# Altium PCB PCB.PcbDoc (part 2 of 3)
Units mm, origin at the board's own origin, x right, y up, seen from the top; angles counter-clockwise.
Board outline 150 x 100 mm, 4 copper layers (L1, L2, L3, L4), stack 1.787 mm thick; 184 components, 112 nets, 659 pads, 390 vias.
Unrouted connection lines stored in the file: 247.
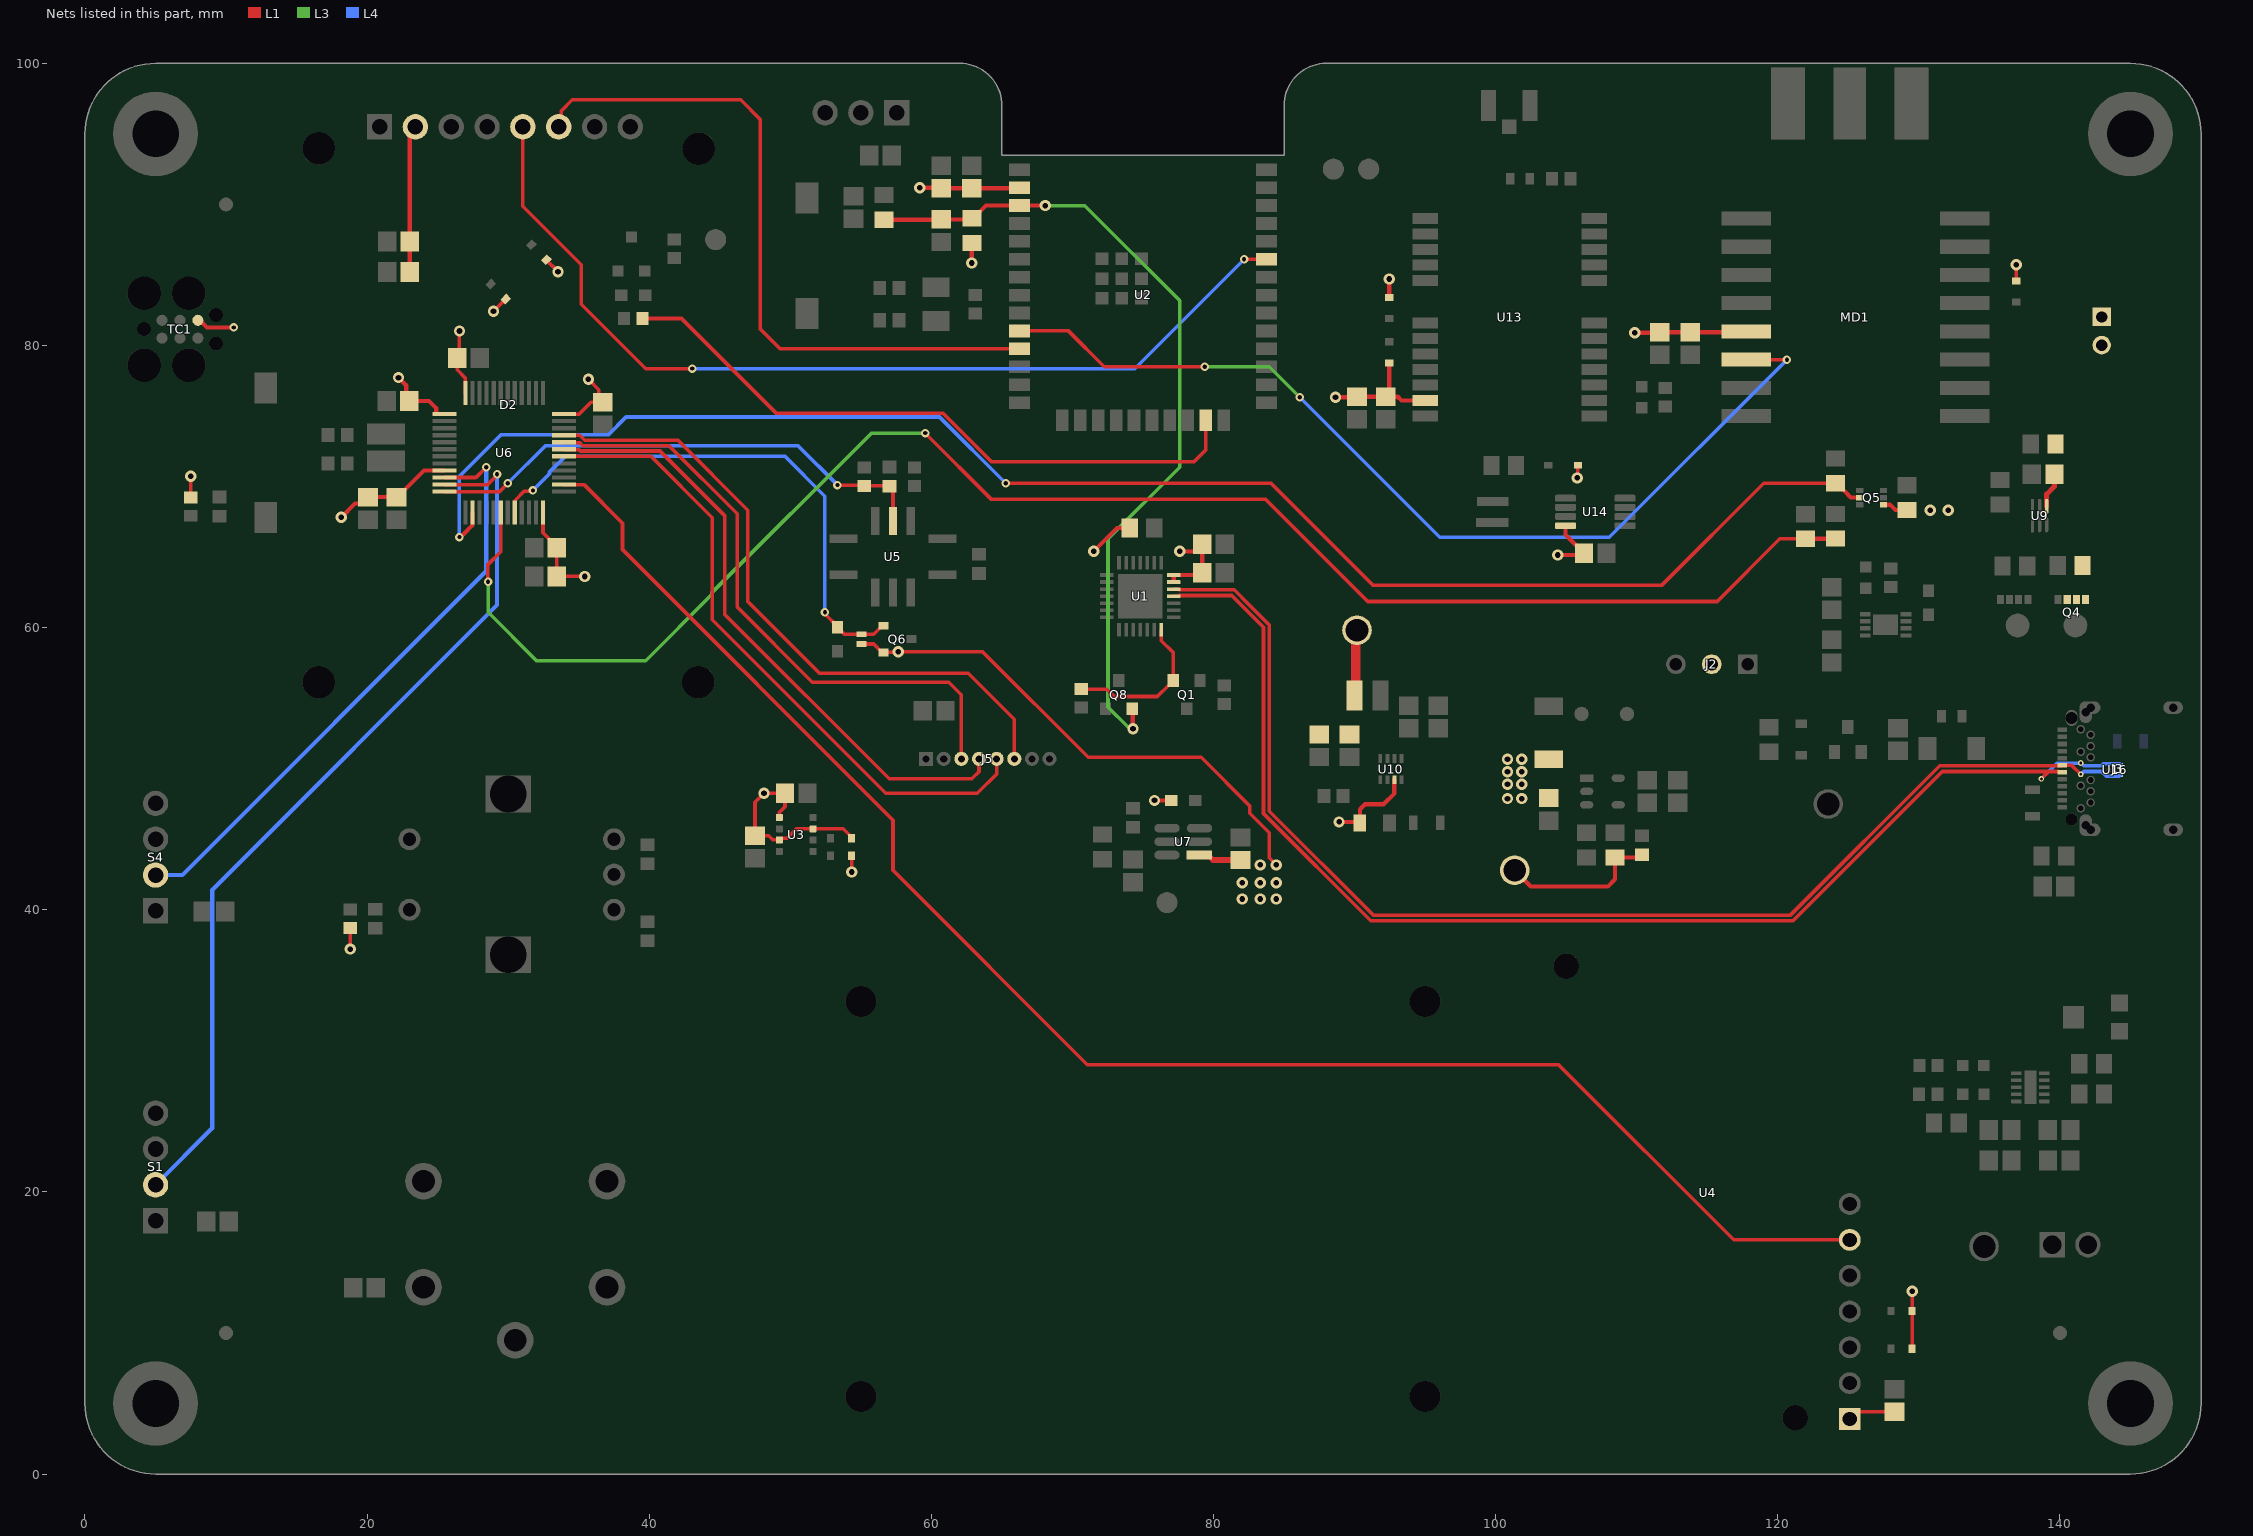
[diagram p4: the nets of this part, all layers, seen from the top]

## Part data (continued)
D3: "22V ESD & EOS PROTECTION", Capacitance @ Frequency="0.34pF @ 1MHz", Current - Peak Pulse (10/1000µs)="18A (8/20µs)", Device Package="0402 (1005 Metric)", Manufacturer="Semtech Corporation", Operating Temperature="-40°C ~ 125°C (TA)", Power - Peak Pulse=270W, Power Line Protection=No, Supplier Device Package="2-DFN (1x0.6)", Supplier Part Number 1=600-RCLAMP2261PW.CCT-ND, Voltage - Breakdown (Min)=24V, Voltage - Clamping (Max) @ Ipp=15V, Voltage - Reverse Standoff (Typ)="22V (Max)", Applications="Telecom, USB", Bidirectional Channels=1, ComponentLink1Description=Datasheet, ComponentLink1URL=https://semtech.my.salesforce.com/sfc/p/#E0000000JelG/a/3n000000qPoJ/iNgZ1SW_YRIAZf6Xx_HNFo8aguTwt76dX4ycwYUdkLQ, ComponentLink2Description="DigiKey Link", ComponentLink2URL=https://www.digikey.com/en/products/detail/semtech-corporation/RCLAMP2261PW-C/21371855, lastupdated="6/3/2024 8:22:57 PM", Lifecycle Status=Active, Minimum Order=1, Mounting Type="Surface Mount", Package / Case="0402 (1005 Metric)", packaging=TapeAndReel, Part Number=RCLAMP2261PW.C, partid=11950, price=0.09, series=RailClamp®, Supplier 1=DigiKey, Type=Zener
D4 D8 D11: library part LSM0603453V, "LED GREEN CLEAR CHIP 0603 SMD", Current - Test=20mA, Device Package="0603 (1608 Metric)", Lens Color=Colorless, Manufacturer="Visual Communications Company - VCC", Millicandela Rating=63mcd, Supplier Device Package="Chip LED", Supplier Part Number 1=LSM0603453VCT-ND, Voltage - Forward (Vf) (Typ)=2V, Color=Green, ComponentLink1Description=Datasheet, ComponentLink1URL=https://vcclite.com/wp-content/uploads/wpallimport/files/files/LSM0603453V.pdf, ComponentLink2Description="DigiKey Link", ComponentLink2URL=https://www.digikey.com/en/products/detail/visual-communications-company-vcc/LSM0603453V/9486724, Configuration=Standard, Height (Max)=0.65mm, lastupdated="6/3/2024 7:58:54 PM", Lens Size="1.20mm x 0.80mm", Lens Style="Rectangle with Flat Top", Lens Transparency=Clear, Lifecycle Status=Active, Minimum Order=1, Mounting Type="Surface Mount", Package / Case="0603 (1608 Metric)", packaging=TapeAndReel, Part Number=LSM0603453V, Part Status=Active, partid=579, price=0.09, series=LSM0603, Size / Dimension="1.60mm L x 0.80mm W", Supplier 1=DigiKey, Viewing Angle=120°, Wavelength - Dominant=572nm, Wavelength - Peak=571nm
D5: "DIODE ZENER 3V 320MW SOD323", Current - Reverse Leakage @ Vr="10 µA @ 1 V", Manufacturer="Nexperia USA Inc.", Operating Temperature="-55°C ~ 150°C", Package / Case="SC-76, SOD-323", Power - Max="320 mW", Supplier Device Package=SOD-323, Supplier Part Number 1=1727-PZU3.0B2A,115CT-ND, Tolerance=±2%, Voltage - Forward (Vf) (Max) @ If="1.1 V @ 100 mA", Voltage - Zener (Nom) (Vz)="3 V", ComponentLink1Description=Datasheet, ComponentLink1URL=https://assets.nexperia.com/documents/data-sheet/PZUXBA_SER.pdf, ComponentLink2Description="DigiKey Link", ComponentLink2URL=https://www.digikey.com/en/products/detail/nexperia-usa-inc/PZU3-0B2A-115/2119995, Impedance (Max) (Zzt)="95 Ohms", lastupdated="6/3/2024 8:20:25 PM", Lifecycle Status=Active, Minimum Order=1, Mounting Type="Surface Mount", packaging=TapeAndReel, Part Number=PZU3.0B2A,115, Part Status=Active, partid=4239, price=0.02, series=-, Supplier 1=DigiKey
D7: library part QBLP601-R5-2897, "0603 LED RED 620NM DOMINANT,630N", Current - Test=5mA, Device Package="0603 (1608 Metric)", Lens Color=Colorless, Manufacturer="QT Brightek (QTB)", Millicandela Rating=90mcd, Supplier Device Package=0603, Supplier Part Number 1=1516-QBLP601-R5-2897CT-ND, Voltage - Forward (Vf) (Typ)=1.9V, Color=Red, ComponentLink1Description=Datasheet, ComponentLink1URL=https://www.qt-brightek.com/datasheet/QBLP601-R5-2897.pdf, ComponentLink2Description="DigiKey Link", ComponentLink2URL=https://www.digikey.com/en/products/detail/qt-brightek-qtb/QBLP601-R5-2897/22106649, Configuration=Standard, Height (Max)=0.70mm, lastupdated="6/3/2024 7:59:37 PM", Lens Size="1.10mm x 0.80mm", Lens Style="Rectangle with Flat Top", Lens Transparency=Clear, Lifecycle Status=Active, Minimum Order=1, Mounting Type="Surface Mount", Package / Case="0603 (1608 Metric)", packaging=TapeAndReel, Part Number=QBLP601-R5-2897, partid=1463, price=0.05, series=QBLP601, Size / Dimension="1.60mm L x 0.80mm W", Supplier 1=DigiKey, Viewing Angle=140°, Wavelength - Dominant=620nm, Wavelength - Peak=630nm
D9: library part CMP-02539-000014-1, "DIODE GEN PURP 75V 150MA SOD80", Capacitance=4pF, Forward Current=300mA, Manufacturer=Vishay, Manufacturer Part Number=LS4148-GS18, Max Junction Temp=+175°C, Max Repetitive Reverse Voltage=100V, Max Surge Forward Current=2A, Package=6.560-5006.01-4, Peak Reverse Current=5uA, Reverse Voltage=75V, Temperature="to +175°C", Automotive=Yes, Automotive Grade="Grade 0", Category=Diode, ComponentLink2Description=Datasheet, ComponentLink2URL=http://www.vishay.com/docs/85561/ls4148.pdf, Device Class L1="Discrete Semiconductors", Device Class L2=Diodes, Device Class L3="Schottky Diodes", Digikey Description="DIODE GEN PURP 75V 150MA SOD80", Height=1.7mm, Lead Free=Yes, Mouser Description="In a Pack of 100, Vishay Switching Diode, 300mA 75V, 2-Pin SOD-80 LS4148-GS18", Octopart=https://octopart.com/ls4148-gs18-vishay-55507867, RoHS=TRUE, Temperature Range High=+175°C
D10: "Photodiode 2-SMD, J-Lead", Color - Enhanced="Ultraviolet (UV)", DigiKey Part Number=2096-GUVA-S12SDTR-ND, Manufacturer="Genicom Co., Ltd.", Operating Temperature="-30°C ~ 85°C", Supplier Part Number 1=2096-GUVA-S12SDCT-ND, Voltage - DC Reverse (Vr) (Max)="5 V", Diode Type=Schottky, Manufacturer Product Number=GUVA-S12SD, Responsivity @ nm="0.14 A/W @ 350nm", Spectral Range="240nm ~ 370nm", Supplier 1=Digikey
D12: library part CMP-12790-000023-1, "DIODE SCHOTTKY 30V 500MA SOD323", Capacitance=58pF, Forward Current=0.5A, Manufacturer="Diodes Inc.", Max Junction Temp=+125°C, Max Repetitive Reverse Voltage=30V, Max Surge Forward Current=2A, Package=SOD323, Peak Reverse Current=500uA, Temperature="-40°C to +125°C", Temperature Range Low=-40°C, Automotive=Yes, Automotive Grade="Grade 1", Category=Diode, ComponentLink2Description=Datasheet, ComponentLink2URL=https://www.diodes.com/assets/Datasheets/ds30249.pdf, Device Class L1="Discrete Semiconductors", Device Class L2=Diodes, Device Class L3="Schottky Diodes", Digikey Description="DIODE SCHOTTKY 30V 500MA SOD323", Footprint Url=https://www.diodes.com/assets/Package-Files/SOD323.pdf, Height=1.2mm, Ipc Land Pattern Name=SOD250130X120-2, Lead Free=Yes, Manufacturer Part Number=B0530WS-7-F, Mouser Description="Schottky Diodes & Rectifiers SCHOTTKY RECTIFIER", Octopart=https://octopart.com/b0530ws-7-f-diodes+inc.-325723, Reverse Voltage=30V, RoHS=TRUE, Standoff Height=0.05mm, Temperature Range High=+125°C
E1: "ROTARY ENCODER MECHANICAL 12PPR", Capacitance=4315F, Manufacturer="Bourns Inc.", Manufacturer 1=Bourns, Max Operating Temperature=70°C, Min Operating Temperature=-30°C, Package Quantity=75, Supplier Part Number 1=PEC11R-4315F-S0012-ND, Actuator Type="6mm Dia Flatted End", Built in Switch=Yes, ComponentLink1Description=Datasheet, ComponentLink1URL=https://www.bourns.com/docs/Product-Datasheets/PEC11R.pdf, ComponentLink2Description="DigiKey Link", ComponentLink2URL=http://digikey.com/product-detail/en/bourns-inc/PEC11R-4315F-S0012/PEC11R-4315F-S0012-ND/4699232, Detent=Yes, Encoder Type=Mechanical, Height=13.4mm, lastupdated="6/25/2020 3:43:12 PM", Length=21.5mm, Lifecycle Status=Active, Manufacturer Part Number 1=PEC11R-4315F-S0012, Minimum Order=1, Mount="Through Hole,Panel,PCB", Mounting Type="Panel, PCB Through Hole", Number of Channels=2, Orientation=Vertical, Output Type="Quadrature (Incremental)", packaging=Unknown, Part Number=PEC11R-4315F-S0012, Part Status=Active, price=1.91, Pricing 1="1=1.91000, 10=1.68200, 25=1.50800, 50=1.45000, 100=1.39200, 250=1.33400, 500=1.10200, 1000=1.04400, 5000=0.87000 (USD)", Pulses per Revolution=12, RoHS=Yes, Rotational Life (Cycles Min)=30K, series=PEC11R, Stock 1=453, Supplier 1=DigiKey, Termination="PC Pin", Termination Style="PC Pin", Width=12.5mm
F1: "FUSE BRD MNT 2A 32VAC 63VDC 1206", Breaking Capacity @ Rated Voltage=63A, Current Rating (Amps)=2A, Device Package="1206 (3216 Metric)", Manufacturer="Schurter Inc.", Operating Temperature="-55°C ~ 90°C", Supplier Part Number 1=486-1147-1-ND, Voltage Rating - AC=32V, Voltage Rating - DC=63V, Approval Agency="cURus, VDE", Approvals="cURus, VDE", ComponentLink1Description=Datasheet, ComponentLink1URL=https://us.schurter.com/pdf/english/typ_USI_1206.pdf, ComponentLink2Description="DigiKey Link", ComponentLink2URL=http://digikey.com/product-detail/en/schurter-inc/3413.0219.22/486-1147-1-ND/1522979, Fuse Type="Board Mount (Cartridge Style Excluded)", lastupdated="9/2/2020 1:30:41 AM", Lifecycle Status=Active, Melting I²t=0.79, Minimum Order=1, Mounting Type="Surface Mount", Package / Case="1206 (3216 Metric)", packaging=TapeAndReel, Part Number=3413.0219.22, Part Status=Active, price=0.26, Response Time="Fast Blow", series="USI 1206", Size / Dimension="0.126\" L x 0.063\" W x 0.024\" H (3.20mm x 1.60mm x 0.60mm)", Supplier 1=DigiKey
FID1 FID2 FID3: library part FIDUCIAL, "Fiducial with various available footprints"
J2: library part CMP-2000-05697-2, "CONN HEADER VERT 3POS 2.54MM", Color=Black, Contact Current Rating=3A, Flammability Rating="UL94 V-0", High Temperature Housing=No, Max Operating Temperature=105°C, Min Operating Temperature=-65°C, Package Quantity=520, Approvals=CSA, Board Standoff="No (Without)", Connector Type=Plug, Contact Gender=Male, Contact Material=Bronze, Contact Mating Length=8.08mm, Contact Plating=Gold, Contact Post Length=0.125inch, Contact Protection="No (Without)", Contact Shape=Square, Contact Type="Male Pin", Current Rating=3A, Depth=2.54mm, ELV=Compliant, Gasket="No (Without)", High Speed Serial Data Connector=No, Housing Color=Black, Housing Material=Thermoplastic, Keyed=No, Lead Free="Lead Free", Length=7.21mm, Mating Alignment="No (Without)", Mating Connector Lock="No (Without)", Mount="Through Hole", Number of Contacts=3, Number of Positions=3, Number of Rows=1, Orientation=Straight, packaging=Carton, PCB Mount Retention=Without, PCB Mounting Orientation=Vertical, PCB Thickness=1.397mm, Pitch=2.54mm, Radiation Hardening=No, RoHS Compliant=Yes, Row Spacing=2.54mm, Selectively Loaded="No (Without)", series="AMPMODU MOD II", Stabilizers="No (Without)", Strain Relief="No (Without)", Termination="Through Hole"
J3: "CONN RCPT USB3.1 TYPEC 24POS R/A", Current Rating (Amps)="0.25A, 1.25A, 5A, 6.25A", Manufacturer="CUI Devices", Operating Temperature="-30°C ~ 85°C", Supplier Part Number 1=102-4485-1-ND, Voltage - Rated=20V, ComponentLink1Description=Datasheet, ComponentLink1URL=https://www.cuidevices.com/product/resource/digikeypdf/uj31-ch-smt.pdf, ComponentLink2Description="DigiKey Link", ComponentLink2URL=http://digikey.com/product-detail/en/cui-devices/UJ31-CH-31-SMT-TR/102-4485-1-ND/8024065, Connector Type="USB - C (Type - C)", Features="Board Guide", Gender=Receptacle, lastupdated="5/24/2020 10:49:54 PM", Lifecycle Status=Active, Mating Cycles=10000, Minimum Order=1, Mounting Feature=Horizontal, Mounting Type="Surface Mount, Right Angle; Through Hole", Number of Contacts=24, Number of Ports=1, packaging=TapeAndReel, Part Number=UJ31-CH-31-SMT-TR, Part Status=Active, price=0.89, series=UJ31, Shielding=Shielded, Specifications="USB 3.1 (USB 3.1 Gen 2, Superspeed+)", Supplier 1=DigiKey, Termination=Solder
J4: library part CMP-2000-05417-1, "Male Header, Pitch 2.54 mm, 1 x 2 Position, Height 10.49 mm, Tail Length 3.556 mm, -55 to 105 degC, RoHS, Bulk", Color=White, Current, Rating="5 /  / A", Flammability Rating=UL94V-0, Manufacturer="TE Connectivity", Temperature, Operating="-55to+105 /  / degC", Voltage, Rating="250 /  / V", Agency Approvals=CSA,UL, Angle=Straight, Brand/Series=MTA-100Series, Color, Housing=White, Connector Type=MTA-100, Contact Centerline Spacing="0.100 /  / in.", Contact Mating Area Plating=Tin, Contact Plating=Tin, Contact Shape=Square, Contact Termination Area Plating=Tin, Datasheet URL=https://datasheet.ciiva.com/11746/0900766b80eb7fdd-11746365.pdf, Datasheet Version="Rev. W, 06/2004", Length, Overall="0.2 /  / \"", Length, Pin="0.14 /  / \"", Length, Terminal Post="0.14 /  / in.", Manufacturer URL=http://www.te.com/, Material, Contact=CopperAlloy, Material, Housing=Polyester, Mount Angle=Vertical, Mounting Hole Size="0.04 /  / \"", Mounting Type=PCMount, Number of Contacts=2, Number of Positions=2, Number of Rows=1, Pin Spacing="0.1 /  / \"", Primary Type=InterconnectSystem, Size, Post="0.025 /  / in.", Special Features=Pinstrip, Standards=RoHSCompliant,ELVCompliant,UL94V-0, Termination=Solder, Type=PCBPlug
J5: library part CMP-04776-000035-2, "CONN HEADER R/A 8POS 1.25MM", Case/Package=0810, Color=Natural, Contact Resistance=20mΩ, Current Rating=1A, Flammability Rating="UL94 V-0", Insulation Resistance=100MΩ, Manufacturer Lifecycle Status=ACTIVE, Max Operating Temperature=85°C, Min Operating Temperature=-40°C, Voltage Rating=125V, Body Plating=Tin, Contact Material=Tin, Contact Plating=Tin, Country of Origin=TW, Gender=Male, Glow Wire Compliant=Non-compliant, Height=3.7mm, Housing Color=Natural, Housing Material=Nylon, Lead Free="Lead Free", Lead Pitch=1.25mm, Lifecycle Status=Production, Mount="Through Hole", NexarPartId=276821, Number of Circuits=8, Number of Contacts=8, Number of Pins=8, Number of Poles=8, Number of Positions=8, Number of Rows=1, Orientation="Right Angle", Pitch=1.25mm, Plating=Tin, Radiation Hardening=No, REACH SVHC=Unknown, RoHS=Compliant, Schedule B=8536694040, Termination="Through Hole", Voltage Rating (AC)=125V, Voltage Rating (DC)=125V, Working Voltage=125V
J6: library part CMP-09588-000002-1, "CONN SMA JACK STR 50OHM EDGE MNT", Case/Package=SMA, Frequency=18GHz, Max Operating Temperature=165°C, Min Operating Temperature=-65°C, Operating Frequency="0 to 18 GHz", Package Quantity=5, Voltage Rating=335V, Body Material=Brass, Body Plating=Gold, Connector Type=SMA, Contact Material=Copper, Contact Plating=Gold, Depth=25.58mm, Fastening Type=Threaded, Gender=Female, Impedance=50R, Length=0.44inch, Max Frequency=18GHz, Mount=Edge, Orientation=Straight, packaging=Bulk, Radiation Hardening=No, RoHS Compliant=Yes, series=SMA, Termination=Solder
J7: library part CMP-2000-05152-3, "CONN U.FL RCPT STR 50 OHM SMD", Dielectric Material=Polymer, Frequency=6GHz, Housing Color=Beige, Insulation Resistance=500MR, Max Operating Temperature=90°C, Min Operating Temperature=-40°C, Package Quantity=2500, Body Material=Bronze, Body Plating=Silver, Connector Type=Coaxial, Contact Material=Brass, Contact Plating=Gold, Depth=3.1mm, Fastening Type=Snap, Gender=Male, Impedance=50R, Lead Free="Lead Free", Length=3mm, Max Frequency=6GHz, Mount="Surface Mount", Orientation=Straight, packaging="Cut Tape", Radiation Hardening=No, REACH SVHC="No SVHC", series=U.FL, Termination=Solder, Weight=0.001764oz, Wire/Cable Type=Coaxial
L1: library part CMP-06042-014115-1, "Shielded Wirewound Inductor 1uH 20% 3000mA 0.059Ω 1008 (2520)", Case Code (Imperial)=1008, Case Code (Metric)=2520, Current Rating=3A, DC Resistance (DCR)=59mR, Inductance=1uH, Max Operating Temperature=85°C, Min Operating Temperature=-40°C, Resistor Type=Wirewound, Test Frequency=1MHz, Tolerance=20%, Case/Package=1008, Core Material=Ferrite, Height - Seated (Max)=0.047inch, Length=0.098inch, Mount="Surface Mount", packaging="Tape and Reel", Shielding=Shielded, Width=0.079inch
L2: library part CMP-11268-000169-1, "INDUCTOR, SHLD, 100UH, 20%, 0.35A, SMD", DC Resistance (DCR)=1.4R, Inductance=100uH, Inductance Tolerance=20%, Max DC Current=370mA, Max Operating Temperature=85°C, Min Operating Temperature=-40°C, Package Quantity=1, RMS Current (Irms)=350mA, Saturation Current=360mA, Self Resonant Frequency=10MHz, Test Frequency=100kHz, Core Material=Ferrite, Height=1.7mm, Length=4mm, packaging="Cut Tape", REACH SVHC="No SVHC", Shielding=Shielded, Termination=SMD/SMT, Tolerance=20%, Weight=0.003527oz, Width=4mm
L3: library part MLF1608C270KTD00, "FIXED IND 27UH 2MA 1.8 OHM SMD", Current Rating (Amps)="2 mA", DC Resistance (DCR)="1.8Ohm Max", Device Package="0603 (1608 Metric)", Frequency - Self Resonant=15MHz, Inductance Frequency - Test="1 MHz", Manufacturer="TDK Corporation", Operating Temperature="-40°C ~ 85°C", Q @ Freq="20 @ 1MHz", Supplier Part Number 1=445-1030-1-ND, Tolerance=±10%, ComponentLink1Description=Datasheet, ComponentLink1URL=https://product.tdk.com/info/en/catalog/datasheets/inductor_commercial_standard_mlf1608_en.pdf?ref_disty=digikey, ComponentLink2Description="DigiKey Link", ComponentLink2URL=https://www.digikey.com/en/products/detail/tdk-corporation/MLF1608C270KTD00/504199, Height - Seated (Max)="0.037\" (0.95mm)", Inductance="27 µH", lastupdated="7/26/2024 2:55:23 PM", Lifecycle Status=Active, Material - Core=Ferrite, Minimum Order=1, Mounting Type="Surface Mount", Package / Case="0603 (1608 Metric)", packaging=TapeAndReel, Part Number=MLF1608C270KTD00, Part Status=Active, partid=8154, price=0.04, series=MLF, Shielding=Shielded, Size / Dimension="0.063\" L x 0.031\" W (1.60mm x 0.80mm)", Supplier 1=DigiKey, Supplier Device Package="0603 (1608 Metric)", Type=Multilayer
MD1: library part CMP-204316-000001-1, "RX TXRX MODULE ISM < 1GHZ SMD", Case/Package=SMD/SMT, Current - Receiving=12.1mA, Current - Transmitting=120mA, Frequency=868MHz, Max Operating Temperature=70°C, Min Operating Temperature=-20°C, Data Rate=300Kbps, Interface=SPI, Mount="Surface Mount", packaging=Bulk, Sensitivity=-123dBm
Q1 Q8: library part CMP-1048-00759-2, Case/Package=SOT-23-3, Collector Base Voltage (VCBO)=50V, Collector Emitter Breakdown Voltage=45V, Collector Emitter Saturation Voltage=600mV, Current Rating=100mA, Emitter Base Voltage (VEBO)=6V, Frequency=100MHz, Manufacturer Lifecycle Status=ACTIVE, Max Junction Temperature (Tj)=150°C, Max Power Dissipation=300mW, Min Operating Temperature=-55°C, Collector Emitter Voltage (VCEO)=45V, Contact Plating=Tin, Element Configuration=Single, Gain Bandwidth Product=100MHz, Halogen Free="Halogen Free", Height=1.016mm, hFE Min=200, Lead Free="Lead Free", Length=3.0226mm, Lifecycle Status=Production, Max Breakdown Voltage=45V, Max Collector Current=100mA, Max Frequency=100MHz, Max Operating Temperature=150°C, NexarPartId=129565, Number of Elements=1, Number of Pins=3, packaging="Cut Tape", Polarity=NPN, Power Dissipation=300mW, Radiation Hardening=No, REACH SVHC="No SVHC", RoHS=Compliant, Schedule B=8541210080, Transition Frequency=100MHz, Type="General Purpose", Voltage Rating (DC)=45V, Width=1.397mm
Q2: library part CMP-32901-000130-1, "MOSFET P-CH 20V 3.7A SOT-23", Continuous Drain Current=-3.7A, Drain to Source Breakdown Voltage=-20V, Drain to Source Resistance=0.05Ω, Gate To Source Voltage=12V, Input Capacitace At Vds="633pF @ -10V", Manufacturer=Infineon, Max Forward Diode Voltage=-1.2V, Max Junction Temp=+150°C, Package=Micro3, Power Dissipation=1.3W, Pulse Drain Current=-22A, Temperature="-55°C to +150°C", Temperature Range Low=-55°C, Automotive=No, Category=Trans, ComponentLink2Description=Datasheet, ComponentLink2URL=https://www.infineon.com/dgdl/irlml6402pbf.pdf?fileId=5546d462533600a401535668d5c2263c, Depletion Mode=False, Device Class L1="Discrete Semiconductors", Device Class L2=Transistors, Device Class L3=MOSFETs, Digikey Description="MOSFET P-CH 20V 3.7A SOT-23", Drain To Source Voltage=-20V, Footprint Url=http://irf.com/package/outline/po_micro3.pdf, Gate Charge At Vgs="8nC @ -5V", Height=1.12mm, Ipc Land Pattern Name=SOT95P237X100-3, Lead Free=Yes, Manufacturer Part Number=IRLML6402TRPBF, Number of Channels=1, Number Of P Channels=1, Octopart=https://octopart.com/irlml6402trpbf-infineon-65874989, Reverse Recovery Charge=11nC, Reverse Recovery Time=29ns, RoHS=TRUE, Rthja Max=75°C/W, Standoff Height=0.01mm, Technology=MOSFET, Temperature Range High=+150°C, Threshold Vgs=-0.55V, Threshold Vgs Max=-1.2V, Threshold Vgs Min=-0.4V, Turn Off Delay Time=588ns, Turn On Delay Time=350ns
Q3 Q4: library part CMP-04962-000044-1, "MOSFET N-CH 25V 60A 8-SON", Case/Package=SON, Continuous Drain Current (ID)=60A, Drain to Source Breakdown Voltage=25V, Gate to Source Voltage (Vgs)=16V, Input Capacitance=1.1nF, Max Operating Temperature=150°C, Max Power Dissipation=2.7W, Min Operating Temperature=-55°C, Package Quantity=1, Threshold Voltage=1.7V, Contact Plating=Tin, Drain to Source Voltage (Vdss)=25V, Dual Supply Voltage=25V, Element Configuration=Single, Fall Time=4.8ns, Lead Free="Contains Lead", Mount="Surface Mount", Nominal Vgs=1.7V, Number of Elements=1, Number of Pins=8, packaging="Tape and Reel", Polarity=N-CHANNEL, Power Dissipation=2.7W, Radiation Hardening=No, Rds On Max=5.3mR, REACH SVHC="No SVHC", Rise Time=12.9ns, RoHS Compliant=Yes, series=NexFET™, Termination=SMD/SMT, Turn-Off Delay Time=8.5ns, Turn-On Delay Time=7.3ns
Q5: library part CMP-2000-06168-1, "Complementary Pair Enhancement Mode MOSFET, 20 V N-Channel, -20 V P-Channel, -55 to 150 degC, 6-Pin SOTFL (SOT563), RoHS, Tape and Reel", Manufacturer="Diodes Inc", Maximum Continuous Drain Current=0.7A,1A, Maximum Drain Source Resistance=1.5Ω, Maximum Drain Source Voltage=20V, Maximum Gate Source Voltage=±12(Q1)V,±8(Q2)V, Maximum Gate Threshold Voltage=1V, Maximum Operating Temperature=+150°C, Maximum Power Dissipation=1W, Minimum Operating Temperature=-55°C, Package Description="6-Pin Small Outline Transistor, Flat Lead, Body 1.175 x 1.6 mm, Pitch 0.5 mm", Package Reference=SOT563-6, Package Type=SOT-563, Typical Input Capacitance @ Vds=37.1pF@10V, Category=PowerMOSFET, Channel Mode=Enhancement, Channel Type=N,P, Datasheet URL=http://www.diodes.com/_files/datasheets/DMC2400UV.pdf, Datasheet Version="Rev. 7-2, 06/2013", Dimensions=1.7x1.25x0.6mm, Height=0.6mm, Length=1.7mm, Manufacturer URL=http://www.diodes.com/, Mounting Technology=SurfaceMount, Mounting Type=SurfaceMount, Number of Elements per Chip=2, Pin Count=6, Transistor Configuration=Isolated, Transistor Material=Si, Typical Gate Charge @ Vgs=0.5nC@4.5V, Typical Turn-Off Delay Time=13.74ns, Typical Turn-On Delay Time=4.06ns, Width=1.25mm
Q6: library part CMP-00030-42864886-1, "SI2301BDS-T1-GE3 Trans Mosfet P-ch Si 20V 2.2A 3-PIN SOT-23 T/r / Mosfet P-ch 20V 2.2A SOT23-3", Case/Package=SOT-23-3, Continuous Drain Current (ID)=-2.2A, Drain to Source Breakdown Voltage=-20V, Drain to Source Resistance=100mΩ, Gate to Source Voltage (Vgs)=8V, Input Capacitance=375pF, Max Operating Temperature=150°C, Max Power Dissipation=700mW, Min Operating Temperature=-55°C, Resistance=100MΩ, Threshold Voltage=-950mV, Drain to Source Voltage (Vdss)=-20V, Element Configuration=Single, Fall Time=40ns, Height=1.02mm, Lead Free="Lead Free", Length=3.04mm, Mount="Surface Mount", NexarPartId=42864886, Nominal Vgs=-950mV, Number of Channels=1, Number of Elements=1, Number of Pins=3, Power Dissipation=700mW, Radiation Hardening=No, Rds On Max=100mΩ, REACH SVHC=Unknown, Rise Time=40ns, RoHS=Compliant, Schedule B="8541210080, 8541210080", Turn-Off Delay Time=30ns, Turn-On Delay Time=20ns, Weight=1.437803g, Width=1.4mm
Q7: library part CMP-83955-000006-1, "MOSFET N-CH 30V 5.7A SOT23", Case/Package=SOT-23, Continuous Drain Current (ID)=5.7A, Drain to Source Voltage (Vdss)=30V, Gate to Source Voltage (Vgs)=12V, Input Capacitance=630pF, Max Operating Temperature=150°C, Max Power Dissipation=1.4W, Min Operating Temperature=-55°C, Lead Free="Lead Free", Mount="Surface Mount", Number of Elements=1, Number of Pins=3, packaging="Tape and Reel", Power Dissipation=1.4W, Radiation Hardening=No, Rds On Max=26.5mR
R1 R36: library part CRGH0805J10K, "RES SMD 10K OHM 5% 1/3W 0805", Device Package="0805 (2012 Metric)", Manufacturer="TE Connectivity Passive Product", Operating Temperature="-55°C ~ 155°C", Power (Watts)="0.333W, 1/3W", Resistance="10 kOhms", Supplier Device Package=0805, Supplier Part Number 1=A126429CT-ND, Temperature Coefficient=±100ppm/°C, Tolerance=±5%, ComponentLink1Description=Datasheet, ComponentLink1URL=https://www.te.com/commerce/DocumentDelivery/DDEController?Action=srchrtrv&DocNm=1773204-1&DocType=DS&DocLang=English, ComponentLink2Description="DigiKey Link", ComponentLink2URL=https://www.digikey.com/en/products/detail/te-connectivity-passive-product/CRGH0805J10K/2385548, Composition="Thick Film", lastupdated="2/8/2024 9:02:37 PM", Lifecycle Status=Active, Minimum Order=1, Number of Terminations=2, Package / Case="0805 (2012 Metric)", packaging=TapeAndReel, Part Number=CRGH0805J10K, Part Status=Active, partid=28127, price=0.01, series="CRGH, Neohm", Size / Dimension="0.083\" L x 0.051\" W (2.10mm x 1.30mm)", Supplier 1=DigiKey
R2 R41: library part CRGH0805J1K0, "RES SMD 1K OHM 5% 1/3W 0805", Device Package="0805 (2012 Metric)", Manufacturer="TE Connectivity Passive Product", Operating Temperature="-55°C ~ 155°C", Power (Watts)="0.333W, 1/3W", Resistance="1 kOhms", Supplier Device Package=0805, Supplier Part Number 1=A126435CT-ND, Temperature Coefficient=±100ppm/°C, Tolerance=±5%, ComponentLink1Description=Datasheet, ComponentLink1URL=https://www.te.com/commerce/DocumentDelivery/DDEController?Action=srchrtrv&DocNm=1773204-1&DocType=DS&DocLang=English, ComponentLink2Description="DigiKey Link", ComponentLink2URL=https://www.digikey.com/en/products/detail/te-connectivity-passive-product/CRGH0805J1K0/2385524, Composition="Thick Film", lastupdated="2/8/2024 9:02:37 PM", Lifecycle Status=Active, Minimum Order=1, Number of Terminations=2, Package / Case="0805 (2012 Metric)", packaging=TapeAndReel, Part Number=CRGH0805J1K0, Part Status=Active, partid=28125, price=0.01, series="CRGH, Neohm", Size / Dimension="0.083\" L x 0.051\" W (2.10mm x 1.30mm)", Supplier 1=DigiKey
R3 R37 R45 R46 R47 R48 R50 R51 R52: library part RK73B1JTTD472J, "RES 4.7K OHM 5% 1/10W 0603", Device Package="0603 (1608 Metric)", Manufacturer="KOA Speer Electronics, Inc.", Operating Temperature="-55°C ~ 155°C", Power (Watts)="0.1W, 1/10W", Ratings=AEC-Q200, Resistance="4.7 kOhms", Supplier Device Package=0603, Supplier Part Number 1=2019-RK73B1JTTD472JCT-ND, Temperature Coefficient=±200ppm/°C, Tolerance=±5%, ComponentLink1Description=Datasheet, ComponentLink1URL=http://www.koaspeer.com/catimages/Products/RK73B/RK73B.pdf, ComponentLink2Description="DigiKey Link", ComponentLink2URL=https://www.digikey.com/en/products/detail/koa-speer-electronics-inc/RK73B1JTTD472J/9844699, Composition="Thick Film", Features="Automotive AEC-Q200", Height - Seated (Max)="0.022\" (0.55mm)", lastupdated="7/25/2024 9:43:10 AM", Lifecycle Status=Active, Minimum Order=1, Number of Terminations=2, Package / Case="0603 (1608 Metric)", packaging=CutTape, Part Number=RK73B1JTTD472J, Part Status=Active, partid=5830, price=0.01, series=RK73B, Size / Dimension="0.063\" L x 0.031\" W (1.60mm x 0.80mm)", Supplier 1=DigiKey
R4 R5 R6 R43: library part CRCW060310K0JNEA, "RES SMD 10K OHM 5% 1/10W 0603", Device Package="0603 (1608 Metric)", Manufacturer="Vishay Dale", Operating Temperature="-55°C ~ 155°C", Power (Watts)="0.1W, 1/10W", Ratings=AEC-Q200, Resistance="10 kOhms", Supplier Device Package=0603, Supplier Part Number 1=541-10KGCT-ND, Temperature Coefficient=±200ppm/°C, Tolerance=±5%, ComponentLink1Description=Datasheet, ComponentLink1URL=http://www.vishay.com/docs/20035/dcrcwe3.pdf, ComponentLink2Description="DigiKey Link", ComponentLink2URL=https://www.digikey.com/en/products/detail/vishay-dale/CRCW060310K0JNEA/1174253, Composition="Thick Film", Features="Automotive AEC-Q200", Height - Seated (Max)="0.020\" (0.50mm)", lastupdated="2/9/2024 8:43:35 PM", Lifecycle Status=Active, Minimum Order=1, Number of Terminations=2, Package / Case="0603 (1608 Metric)", packaging=CutTape, Part Number=CRCW060310K0JNEA, Part Status=Active, partid=5216, price=0.01, series=CRCW, Size / Dimension="0.063\" L x 0.033\" W (1.60mm x 0.85mm)", Supplier 1=DigiKey
R7: library part RMCF0603JT470R, "RES 470 OHM 5% 1/10W 0603", Device Package="0603 (1608 Metric)", Manufacturer="Stackpole Electronics Inc", Operating Temperature="-55°C ~ 155°C", Power (Watts)="0.1W, 1/10W", Ratings=AEC-Q200, Supplier Device Package=0603, Supplier Part Number 1=RMCF0603JT470RCT-ND, Temperature Coefficient=±200ppm/°C, Tolerance=±5%, ComponentLink1Description=Datasheet, ComponentLink1URL=https://www.seielect.com/catalog/sei-rmcf_rmcp.pdf, ComponentLink2Description="DigiKey Link", ComponentLink2URL=https://www.digikey.com/en/products/detail/stackpole-electronics-inc/RMCF0603JT470R/1757954, Composition="Thick Film", Features="Automotive AEC-Q200", Height - Seated (Max)="0.022\" (0.55mm)", lastupdated="2/9/2024 8:43:33 PM", Lifecycle Status=Active, Minimum Order=1, Number of Terminations=2, Package / Case="0603 (1608 Metric)", packaging=CutTape, Part Number=RMCF0603JT470R, Part Status=Active, partid=5857, price=0.01, Resistance="470 Ohms", series=RMCF, Size / Dimension="0.061\" L x 0.031\" W (1.55mm x 0.80mm)", Supplier 1=DigiKey
R8: library part CRCW0805330RJNEAC, "RES 330 OHM 5% 1/8W 0805", Device Package="0805 (2012 Metric)", Manufacturer="Vishay Dale", Operating Temperature="-55°C ~ 155°C", Power (Watts)="0.125W, 1/8W", Supplier Device Package=0805, Supplier Part Number 1=541-4168-1-ND, Temperature Coefficient=±200ppm/°C, Tolerance=±5%, ComponentLink1Description=Datasheet, ComponentLink1URL=http://www.vishay.com/docs/28773/crcwce3.pdf, ComponentLink2Description="DigiKey Link", ComponentLink2URL=https://www.digikey.com/en/products/detail/vishay-dale/CRCW0805330RJNEAC/7928590, Composition="Thick Film", Height - Seated (Max)="0.024\" (0.60mm)", lastupdated="2/8/2024 9:01:59 PM", Lifecycle Status=Active, Minimum Order=1, Number of Terminations=2, Package / Case="0805 (2012 Metric)", packaging=TapeAndReel, Part Number=CRCW0805330RJNEAC, Part Status=Active, partid=37144, price=0.01, Resistance="330 Ohms", series=CRCW-C, Size / Dimension="0.079\" L x 0.049\" W (2.00mm x 1.25mm)", Supplier 1=DigiKey
R9 R22: library part CRGP0805F100K, "RES 100K OHM 1% 1/3W 0805", Device Package="0805 (2012 Metric)", Manufacturer="TE Connectivity Passive Product", Operating Temperature="-55°C ~ 155°C", Power (Watts)="0.333W, 1/3W", Resistance="100 kOhms", Supplier Device Package=0805, Supplier Part Number 1=A130501CT-ND, Temperature Coefficient=±100ppm/°C, Tolerance=±1%, ComponentLink1Description=Datasheet, ComponentLink1URL=https://www.te.com/commerce/DocumentDelivery/DDEController?Action=srchrtrv&DocNm=9-1773463-9&DocType=DS&DocLang=English, ComponentLink2Description="DigiKey Link", ComponentLink2URL=https://www.digikey.com/en/products/detail/te-connectivity-passive-product/CRGP0805F100K/8577103, Composition="Thick Film", Features="Pulse Withstanding", Height - Seated (Max)="0.026\" (0.65mm)", lastupdated="2/8/2024 9:02:34 PM", Lifecycle Status=Active, Minimum Order=1, Number of Terminations=2, Package / Case="0805 (2012 Metric)", packaging=TapeAndReel, Part Number=CRGP0805F100K, Part Status=Active, partid=28747, price=0.02, series=CRGP, Size / Dimension="0.079\" L x 0.049\" W (2.00mm x 1.25mm)", Supplier 1=DigiKey
R10: library part RC0603FR-072KP, "RES 2K OHM 1% 1/10W 0603", Device Package="0603 (1608 Metric)", Manufacturer=Yageo, Operating Temperature="-55°C ~ 155°C", Power (Watts)="0.1W, 1/10W", Ratings="7C1 RoHS w/out Exemption (100% Pb-Free)", Resistance="2 kOhms", Supplier Device Package=0603, Supplier Part Number 1=YAG1297CT-ND, Temperature Coefficient=±100ppm/°C, Tolerance=±1%, ComponentLink1Description=Datasheet, ComponentLink1URL=http://www.yageo.com/NewPortal/yageodocoutput?fileName=/pdf/R-Chip/PYu-RC_51_RoHS_P_0.pdf, ComponentLink2Description="DigiKey Link", ComponentLink2URL=https://www.digikey.com/en/products/detail/yageo/RC0603FR-072KP/4935312, Composition="Thick Film", Features="Moisture Resistant", Height - Seated (Max)="0.022\" (0.55mm)", lastupdated="7/25/2024 9:19:32 AM", Lifecycle Status=Active, Minimum Order=1, Number of Terminations=2, Package / Case="0603 (1608 Metric)", packaging=TapeAndReel, Part Number=RC0603FR-072KP, Part Status=Active, partid=6623, price=0.01, series=RC_P, Size / Dimension="0.063\" L x 0.031\" W (1.60mm x 0.80mm)", Supplier 1=DigiKey
R11: library part RCC08052K20FKEA, "RCC0805 100 2K2 1% ET1 E3", Device Package="0805 (2012 Metric)", Manufacturer="Vishay Dale", Operating Temperature="-55°C ~ 155°C", Power (Watts)="0.25W, 1/4W", Ratings=AEC-Q200, Resistance="2.2 kOhms", Supplier Device Package=0805, Supplier Part Number 1=541-RCC08052K20FKEACT-ND, Temperature Coefficient=±100ppm/°C, Tolerance=±1%, ComponentLink1Description=Datasheet, ComponentLink1URL=https://www.vishay.com/docs/20066/rcce3.pdf, ComponentLink2Description="DigiKey Link", ComponentLink2URL=https://www.digikey.com/en/products/detail/vishay-dale/RCC08052K20FKEA/12084242, Composition="Thick Film", Features="Automotive AEC-Q200", Height - Seated (Max)="0.020\" (0.50mm)", lastupdated="2/8/2024 9:00:23 PM", Lifecycle Status=Active, Minimum Order=1, Number of Terminations=2, Package / Case="0805 (2012 Metric)", packaging=TapeAndReel, Part Number=RCC08052K20FKEA, Part Status=Active, partid=68039, price=0.02, series="RCC e3", Size / Dimension="0.079\" L x 0.049\" W (2.00mm x 1.25mm)", Supplier 1=DigiKey
R12 R13: library part ESR10EZPJ515, "RES SMD 5.1M OHM 5% 0.4W 0805", Device Package="0805 (2012 Metric)", Manufacturer="Rohm Semiconductor", Operating Temperature="-55°C ~ 155°C", Power (Watts)="0.4W, 2/5W", Ratings=AEC-Q200, Resistance="5.1 MOhms", Supplier Device Package=0805, Supplier Part Number 1=RHM5.1MKCT-ND, Temperature Coefficient=±200ppm/°C, Tolerance=±5%, ComponentLink1Description=Datasheet, ComponentLink1URL=https://www.rohm.com/datasheet/ESR01MZPF/esr-e, ComponentLink2Description="DigiKey Link", ComponentLink2URL=https://www.digikey.com/en/products/detail/rohm-semiconductor/ESR10EZPJ515/4051343, Composition="Thick Film", Features="Automotive AEC-Q200, Pulse Withstanding", Height - Seated (Max)="0.026\" (0.65mm)", lastupdated="2/8/2024 9:02:31 PM", Lifecycle Status=Active, Minimum Order=1, Number of Terminations=2, Package / Case="0805 (2012 Metric)", packaging=TapeAndReel, Part Number=ESR10EZPJ515, Part Status=Active, partid=29452, price=0.01, series=ESR, Size / Dimension="0.079\" L x 0.049\" W (2.00mm x 1.25mm)", Supplier 1=DigiKey
R14 R15: library part SG73S2ATTD512J, "RES 5.1K OHM 5% 1/4W 0805", Device Package="0805 (2012 Metric)", Manufacturer="KOA Speer Electronics, Inc.", Operating Temperature="-55°C ~ 155°C", Power (Watts)="0.25W, 1/4W", Ratings=AEC-Q200, Resistance="5.1 kOhms", Supplier Device Package=0805, Supplier Part Number 1=2019-SG73S2ATTD512JCT-ND, Temperature Coefficient=±200ppm/°C, Tolerance=±5%, ComponentLink1Description=Datasheet, ComponentLink1URL=https://www.koaspeer.com/pdfs/SG73S.pdf, ComponentLink2Description="DigiKey Link", ComponentLink2URL=https://www.digikey.com/en/products/detail/koa-speer-electronics-inc/SG73S2ATTD512J/10292985, Composition="Thick Film", Features="Automotive AEC-Q200, Moisture Resistant, Pulse Withstanding", Height - Seated (Max)="0.024\" (0.60mm)", lastupdated="7/25/2024 9:45:12 AM", Lifecycle Status=Active, Minimum Order=1, Number of Terminations=2, Package / Case="0805 (2012 Metric)", packaging=TapeAndReel, Part Number=SG73S2ATTD512J, partid=82922, price=0.01, series=SG73S, Size / Dimension="0.079\" L x 0.049\" W (2.00mm x 1.25mm)", Supplier 1=DigiKey